# Altium PCB spd150.PcbDoc (part 5 of 15)
Units mil, origin at the board's own origin, x right, y up, seen from the top; angles counter-clockwise.
Board outline 8557 x 5807 mil, 10 copper layers (TOP, LYR2-PLN, LYR3-SIG, LYR4-SIG, LYR5-PLN, LYR6-PLN, LYR7-SIG, LYR8-SIG, LYR9-PLN, BOTTOM), stack 84 mil thick; 1065 components, 972 nets, 4226 pads, 2810 vias.
Unrouted connection lines stored in the file: 16.
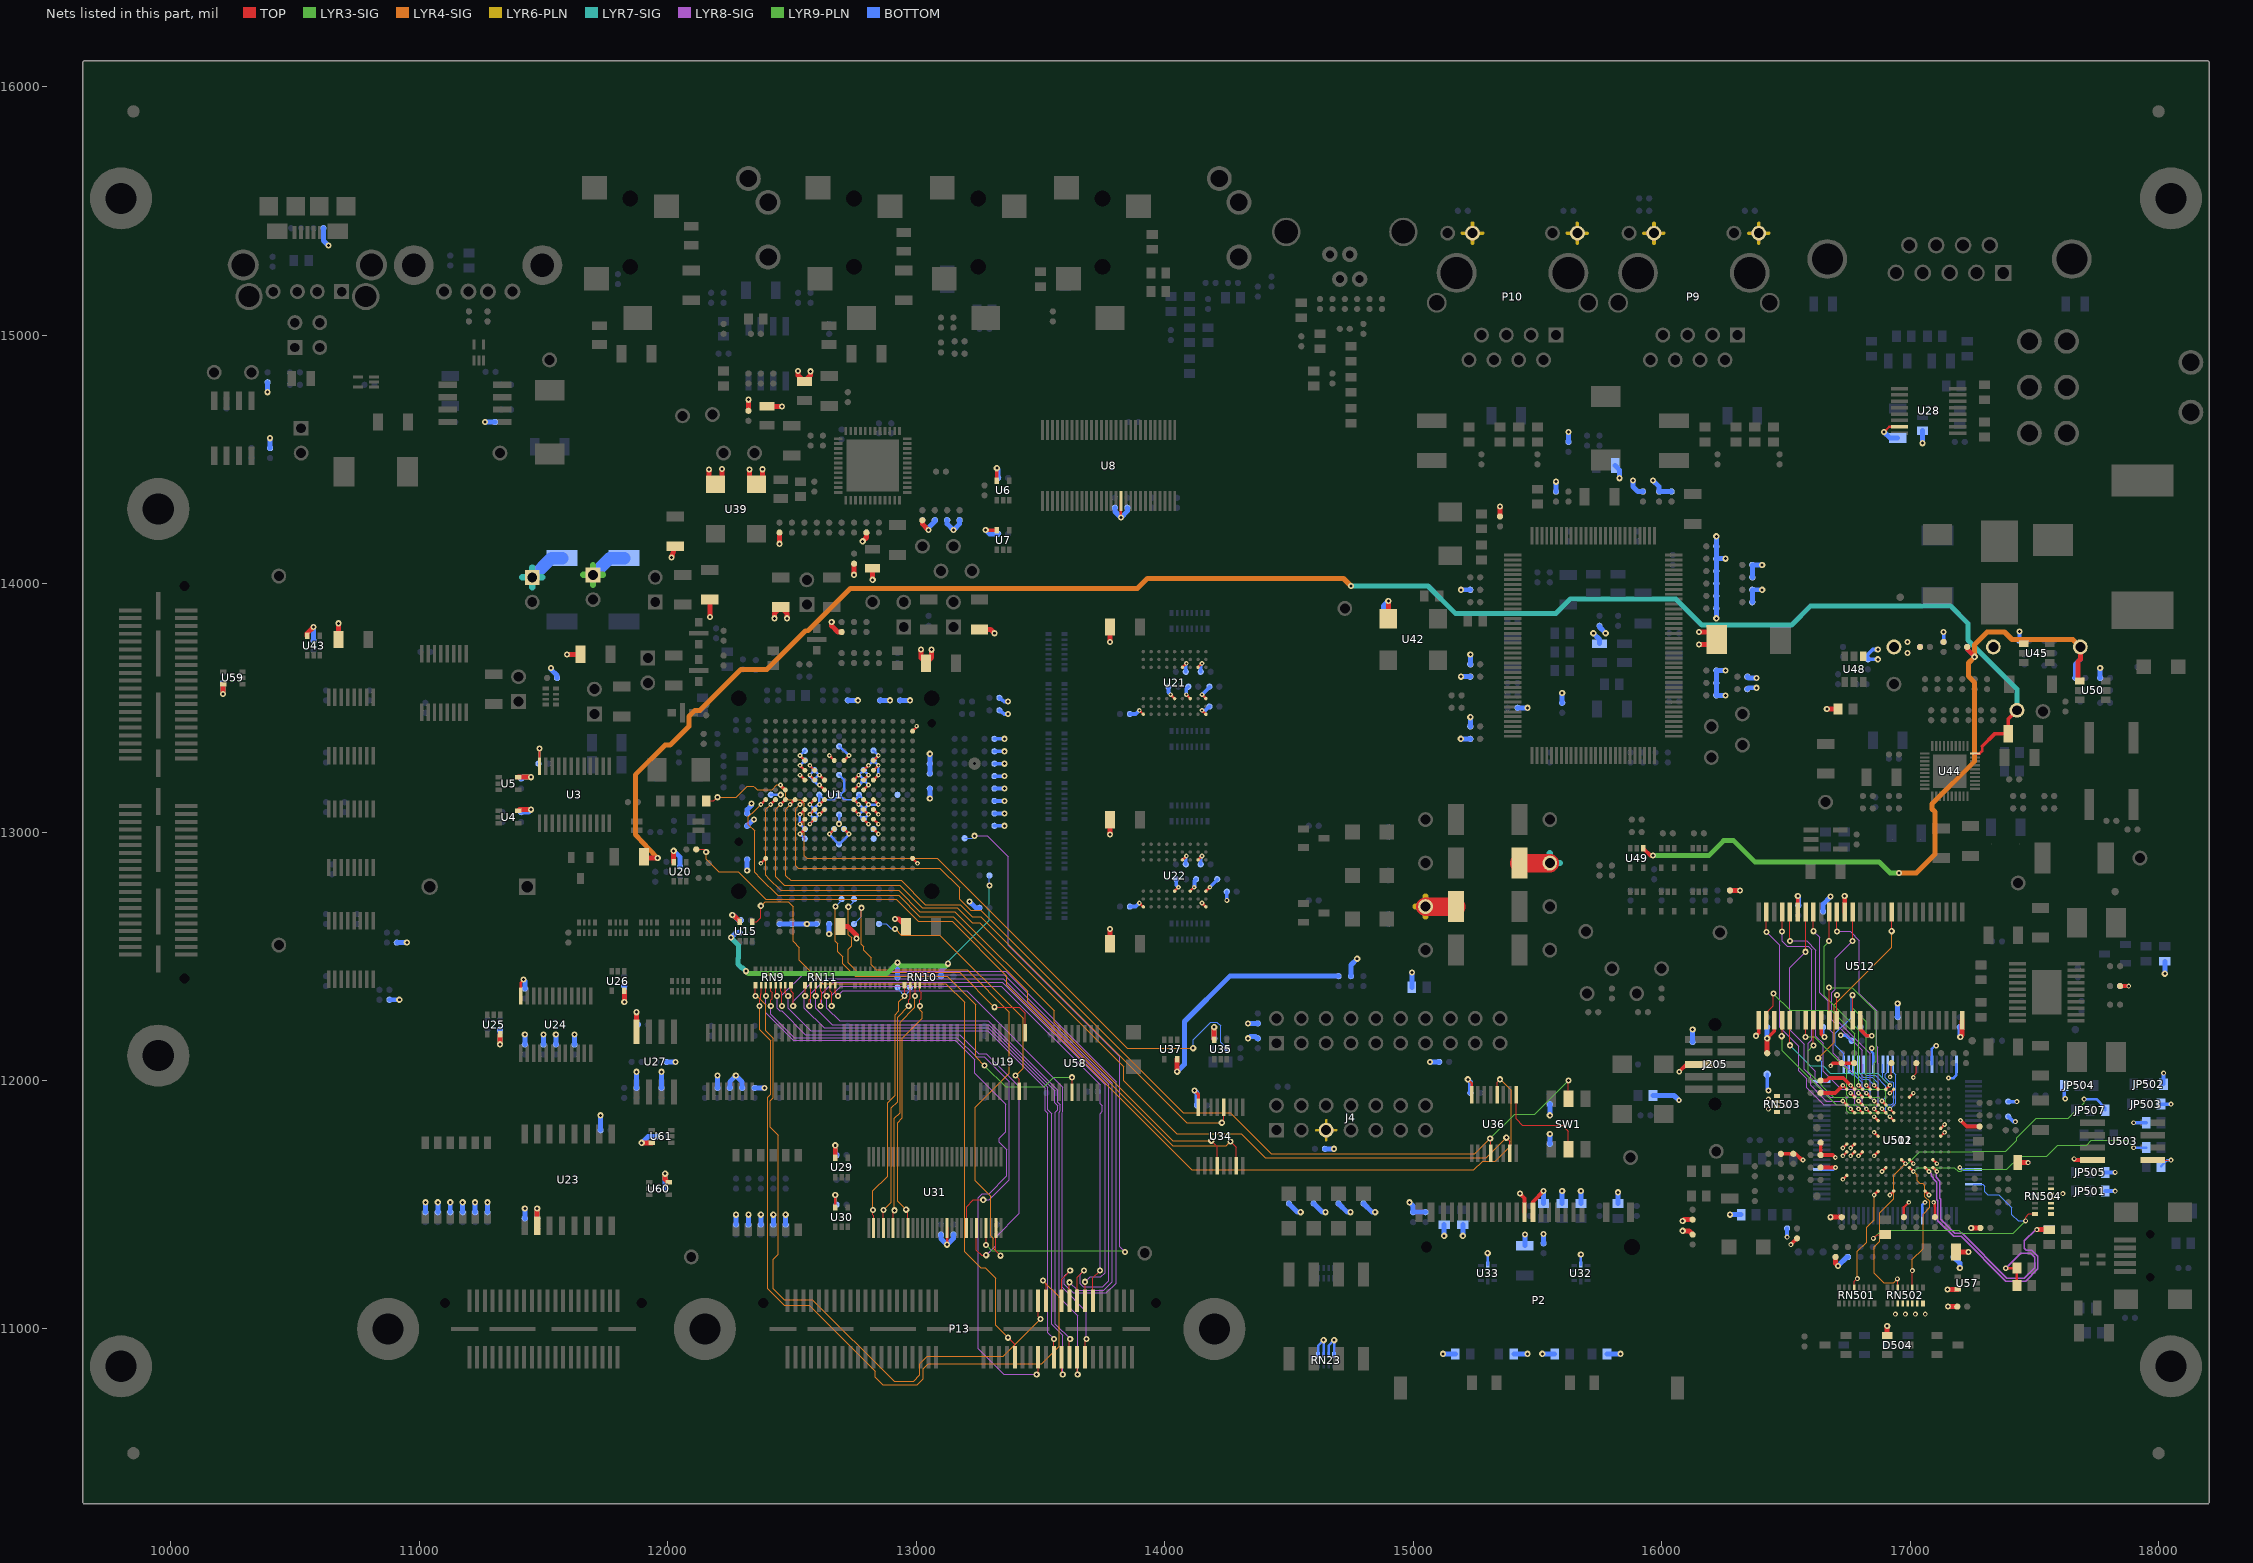
[diagram p13: the nets of this part, all layers, seen from the top]

## Via types
v1: diameter 25, hole 12, TOP to BOTTOM, 2018 vias
v2: diameter 19, hole 8, TOP to BOTTOM, 651 vias
v3: diameter 20, hole 10, TOP to BOTTOM, 120 vias
v4: diameter 22, hole 10, TOP to BOTTOM, 21 vias

## Nets (pads, with @x,y where several pads share a name; then routed paths per layer and width w, separated by ;. In a path a pad name is that pad's centre, name@x,y a point inside that pad or via, vN(x,y) a via of type N, cw(c..) or ccw(c..) an arc to the next point about the centre after c; other vN are vias at no path point) (continued)
CPU_RTC_1V8: C242.1 R100.1 TP28.1 U44.20 | length 7046.8
  TOP w10: U44.20@17261,13315.8 17280,13315.8 17290,13325.8 17290,13345
  TOP w15: 17290,13345 17340,13395 C242.1@17395,13395 17395,13455 TP28.1@17430,13490
  TOP w20: R100.1@11905,12900 11910,12895 v1(11960,12895)
  LYR4-SIG w20: v1(11960,12895) 11870,12990 11870,13230 11990,13350 12010,13350 12085,13425 12085,13465 12110,13490 12130,13490 12295,13655 12400,13655 12555,13810 12565,13810 12735,13980 13890,13980 13930,14020 14720,14020 v1(14750,13990)
  LYR7-SIG w20: v1(14750,13990) 15060,13990 15170,13880 15575,13880 15632.5,13937.5 16057.5,13937.5 16162.5,13832.5 16522.5,13832.5 16600,13910 17162.5,13910 17232.5,13840 17232.5,13772.5 17430,13575 TP28.1@17430,13490
CSN_A0: JP508.2 U503.1 | length 123.9
  TOP w5: U503.1@17976.5,11680 v3(18050,11680)
  BOTTOM w10: JP508.2@18010,11655 18035,11680 v3(18050,11680)
CVDD: C59.2 C60.2 C61.2 C62.2 C63.2 C64.2 C65.2 C66.2 C67.2 C68.2 C69.1 C70.1 C71.1 C72.1 C73.2 C74.2 C75.2 C76.2 C77.2 PTP6.1 R116.2 U1.F6 U1.G6 U1.G7 U1.G10 U1.G11 U1.H7 U1.H10 U1.H11 U1.J6 U1.J7 U1.J10 U1.J11 U1.J12 U1.K6 U1.K7 U1.K10 U1.K11 U1.L6 | length 2454.6
  TOP w10: v2(12571.9,13031.8) U1.L6@12591.6,13051.5 ; v2(12571.9,13071.2) U1.K6@12591.6,13090.9 ; v2(12571.9,13110.6) U1.J6@12591.6,13130.3 ; v2(12571.9,13228.8) U1.G6@12591.6,13209.1 ; v2(12571.9,13268.2) U1.F6@12591.6,13248.5 ; v2(12611.3,13071.2) U1.K7@12631,13090.9 ; v2(12611.3,13110.6) U1.J7@12631,13130.3 ; v2(12611.3,13189.4) U1.H7@12631,13169.7 ; v2(12611.3,13228.8) U1.G7@12631,13209.1 ; U1.K10@12749.2,13090.9 v2(12768.9,13071.2) ; U1.J10@12749.2,13130.3 v2(12768.9,13110.6) ; U1.H10@12749.2,13169.7 v2(12768.9,13189.4) ; U1.G10@12749.2,13209.1 v2(12768.9,13228.8) ; U1.K11@12788.6,13090.9 v2(12808.3,13071.2) ; U1.J11@12788.6,13130.3 v2(12808.3,13110.6) ; U1.H11@12788.6,13169.7 v2(12808.3,13189.4) ; U1.G11@12788.6,13209.1 v2(12808.3,13228.8) ; U1.J12@12828,13130.3 v2(12847.7,13110.6)
  TOP w20: v1(11595,13715) C69.1@11650,13715 ; v1(12170,13865) C72.1@12170,13935 ; C70.1@12695,12620 12725,12620 12760,12585 v1(12760,12572) ; v1(13020,13735) 13020,13700 C71.1@13040,13680 13062,13702 v1(13062,13734)
  LYR7-SIG w25: 11415,14025 PTP6.1@11455,14025 ; 11455,13985 PTP6.1@11455,14025 ; 11455,14065 PTP6.1@11455,14025 ; 11495,14025 PTP6.1@11455,14025
  BOTTOM w6: C67.2@12610,13150 12631,13129 12669,13129 C60.2@12690,13150 12711,13129 12750.5,13129 12752.5,13127
  BOTTOM w9: C60.2@12690,13150 12695,13150 12711,13166 12711,13209 C66.2@12690,13230
  BOTTOM w10: v2(12571.9,13031.8) 12591,13050.9 C62.2@12591,13052 ; v2(12571.9,13110.6) 12571.9,13110.1 C65.2@12591,13091 ; v2(12571.9,13268.2) 12571.9,13268.1 C68.2@12591,13249 ; C67.2@12610,13150 12610,13111.9 v2(12611.3,13110.6) 12605.6,13110.6 12591,13096 C65.2@12591,13091 ; v2(12611.3,13071.2) v2@12603.8,13071.2 ; v2(12611.3,13189.4) 12605.6,13189.4 12591,13204 C75.2@12591,13209 ; v2(12611.3,13228.8) v2@12607.8,13228.8 ; v1(12690,13033) C64.2@12690,13070 ; v2(12768.9,13189.4) 12772.4,13189.4 12780,13197 12780,13200 C74.2@12789,13209 ; C76.2@12789,13249 C76.2@12789,13248.1 ; v2(12808.3,13189.4) 12789,13208.7 C74.2@12789,13209 ; v2(12847.7,13110.6) v2(12808.3,13110.6) ; C62.2@12591,13052 12603.8,13064.8 v2@12603.8,13071.2 ; C62.2@12591,13052 12571.9,13071.1 v2(12571.9,13071.2) 12571.9,13071.9 C65.2@12591,13091 ; C65.2@12591,13091 12591,13084 v2@12603.8,13071.2 ; C75.2@12591,13209 12586,13209 12571.9,13223.1 v2(12571.9,13228.8) 12571.9,13229.9 C68.2@12591,13249 ; C75.2@12591,13209 12591,13212 v2@12607.8,13228.8 ; C68.2@12591,13249 12607.8,13232.2 v2@12607.8,13228.8 ; C77.2@12788,13091 12788,13088.3 12770.9,13071.2 v2(12768.9,13071.2) 12788.1,13052 C73.2@12789,13052 12789.1,13052 v2(12808.3,13071.2) 12788.5,13091 C77.2@12788,13091 ; C77.2@12788,13091 12788,13094 12771.4,13110.6 v2(12768.9,13110.6) 12752.5,13127 12770,13144.5 C59.2@12770,13150 12808.3,13111.7 v2(12808.3,13110.6) ; C77.2@12788,13091 12807.6,13110.6 v2(12808.3,13110.6) ; C74.2@12789,13209 12808.3,13228.3 v2(12808.3,13228.8) C76.2@12789,13248.1 ; C74.2@12789,13209 12789,13212 12772.2,13228.8 v2(12768.9,13228.8) 12788.2,13248.1 C76.2@12789,13248.1
  BOTTOM w20: C61.2@12320,13075 12320,13090 12337,13107 v1(12337,13115) ; v1(13055,13135) C63.2@13055,13175
  BOTTOM w50: PTP6.1@11455,14025 11532.5,14102.5 R116.2@11575,14102.5
D0: U502.L8 U511.12 U512.2 | length 1154.5
  TOP w5: U512.2@16422,12242 16422,12272 16450,12300 v1(16450,12350)
  TOP w10: v2(16918.4,11886) U502.L8@16934.2,11870.3
  LYR3-SIG w4: 16777,12069 16777,11987.1 16776.9,11987 16776.9,11973.1 16785.5,11964.5 16893.4,11964.5 16902.4,11955.5 16902.4,11902 v2(16918.4,11886)
  LYR3-SIG w5: v1(16450,12350) 16517.5,12282.5 16682.5,12282.5 16777,12188 16777,12069
  BOTTOM w4: v2(16918.4,11886) 16926.4,11894 16928.3,11894 16941.9,11907.6 16941.9,12023.1 16930.3,12034.7 U511.12@16930.3,12065
D1: U502.K8 U511.11 U512.4 | length 961.4
  TOP w5: v1(16483.3,12178.3) 16485,12180 U512.4@16485,12242
  TOP w10: v2(16918.4,11854.5) U502.K8@16934.2,11838.8
  LYR3-SIG w4: 16645,11960 16703,11902 16736,11902 16745,11893 16745,11879 16754,11870 16902.9,11870 v2(16918.4,11854.5)
  LYR3-SIG w5: v1(16483.3,12178.3) 16485,12176.6 16485,12120 16645,11960
  BOTTOM w4: U511.11@16910.6,12065 16910.6,12035.6 16900,12025 16900,12011.2 16915.2,11996 16930,11996 16933.9,11992.1 16933.9,11911 16924.9,11902 16912.4,11902 16902.9,11892.5 16902.9,11870 v2(16918.4,11854.5)
D2: U502.P9 U511.10 U512.5 | length 687.2
  TOP w5: v1(16516.5,12141.5) U512.5@16516.5,12242
  TOP w10: U502.P9@16902.7,11964.8 v2(16918.4,11980.5)
  LYR7-SIG w4: 16640,12059 16650,12059 16679,12030 16868.9,12030 v2(16918.4,11980.5)
  LYR7-SIG w5: v1(16516.5,12141.5) 16599,12059 16640,12059
  BOTTOM w4: U511.10@16890.9,12065 16890.9,12008 v2(16918.4,11980.5)
D3: U502.M9 U511.6 U512.7 | length 774.9
  TOP w5: v1(16579.5,12175.5) U512.7@16579.5,12242
  TOP w10: v2(16886.9,11917.5) U502.M9@16902.7,11901.8
  LYR3-SIG w4: 16745,12045 16745,11942.5 16754,11933.5 16870.9,11933.5 v2(16886.9,11917.5)
  LYR3-SIG w5: v1(16579.5,12175.5) 16614.5,12175.5 16745,12045
  BOTTOM w4: U511.6@16812.1,12065 16812.1,12032.9 16824,12021 16859,12021 16902.4,11977.6 16902.4,11933 v2(16886.9,11917.5)
D4: U502.L9 U511.5 U512.8 | length 843.3
  TOP w5: v1(16611,12141) U512.8@16611,12242
  TOP w10: v2(16886.9,11886) U502.L9@16902.7,11870.3
  LYR3-SIG w4: 16645,11980 16645,11979.9 16691.9,11933 16737,11933 16745,11925 16745,11911.4 16754.4,11902 16870.9,11902 v2(16886.9,11886)
  LYR3-SIG w5: v1(16611,12141) 16590,12120 16590,12035 16645,11980
  BOTTOM w4: U511.5@16792.4,12065 16792.4,12032.6 16812,12013 16847,12013 16870.9,11989.1 16870.9,11902 v2(16886.9,11886)
D5: U502.P10 U511.4 U512.10 | length 816.8
  TOP w5: U512.10@16674,12242 v1(16674,12374)
  TOP w10: v2(16855.4,11980.5) U502.P10@16871.2,11964.8
  LYR3-SIG w4: v2(16855.4,11980.5) 16855.4,12070
  LYR3-SIG w5: v1(16674,12374) 16766.3,12374 16863.5,12276.8 16863.5,12078.1 16855.4,12070
  BOTTOM w4: U511.4@16772.7,12065 16772.7,12038.7 16806.4,12005 16830.9,12005 v2(16855.4,11980.5)
D6: U502.M10 U511.3 U512.11 | length 816.2
  TOP w5: U512.11@16705.5,12242 v1(16705.5,12344.5) ; v2(16855.4,11917.5) U502.M10@16871.2,11901.8
  LYR8-SIG w4: 16840,12070 16839.9,12069.9 16839.9,11933 v2(16855.4,11917.5)
  LYR8-SIG w5: v1(16705.5,12344.5) 16705.5,12242 16840,12107.5 16840,12070
  BOTTOM w4: U511.3@16753,12065 16753,12038.9 16767.9,12024 16776,12024 16808.4,11991.6 16808.4,11974 16817.4,11965 16830.4,11965 16839.9,11955.5 16839.9,11933 v2(16855.4,11917.5)
D7: U502.P11 U511.2 U512.13 | length 830.6
  TOP w5: U512.13@16768.5,12242 v1(16768.5,12343.5)
  TOP w10: v2(16823.9,11980.5) U502.P11@16839.7,11964.8
  LYR3-SIG w4: v2(16823.9,11980.5) 16823.9,12070
  LYR3-SIG w5: v1(16768.5,12343.5) 16770,12342 16770,12290 16823.9,12236.1 16823.9,12070
  BOTTOM w4: U511.2@16733.3,12065 U511.2@16733.3,12070
  BOTTOM w5: U511.2@16733.3,12070 16733.3,12108.4 16699.8,12141.9 16699.8,12190 16762.5,12252.7 16762.5,12337.5 v1(16768.5,12343.5)
D8: U502.N11 U512.42 | length 843
  TOP w5: v1(16768.5,12561.5) U512.42@16768.5,12678
  TOP w10: v2(16823.9,11949) U502.N11@16839.7,11933.3
  LYR8-SIG w4: 16808.4,12068.4 16808.4,11964.5 v2(16823.9,11949)
  LYR8-SIG w5: v1(16768.5,12561.5) 16699.5,12492.5 16699.5,12366.8 16685.5,12352.8 16685.5,12245.5 16808.4,12122.6 16808.4,12068.4
D9: U502.L10 U512.44 | length 920.1
  TOP w5: v1(16705.5,12600) U512.44@16705.5,12678
  TOP w10: v2(16855.4,11886) U502.L10@16871.2,11870.3
  LYR8-SIG w4: v2(16855.4,11886) 16870.9,11901.5 16870.9,12069.1 16870,12070
  LYR8-SIG w5: v1(16705.5,12600) 16758.3,12600 16795,12563.3 16795,12350 16865,12280 16865,12138.8 16870,12133.8 16870,12070
D10: U502.P12 U512.45 | length 785.4
  TOP w5: v1(16674,12561) U512.45@16674,12678
  TOP w10: v2(16792.4,11980.5) U502.P12@16808.2,11964.8
  LYR3-SIG w4: v2(16792.4,11980.5) 16792.4,12070
  LYR3-SIG w5: v1(16674,12561) 16654,12541 16654,12341.5 16792.4,12203.1 16792.4,12070
D11: U502.N12 U512.47 | length 826.4
  TOP w5: v1(16611,12601) U512.47@16611,12678
  TOP w10: v2(16792.4,11949) U502.N12@16808.2,11933.3
  LYR8-SIG w4: 16730,12070 16776.9,12023.1 16776.9,11974 16792.4,11958.5 v2(16792.4,11949)
  LYR8-SIG w5: v1(16611,12601) 16636,12576 16636,12354 16670,12320 16670,12210 16690,12190 16690,12110 16730,12070
D12: U502.M14 U512.48 | length 937.5
  TOP w5: v1(16579.5,12518) U512.48@16579.5,12678
  TOP w10: v2(16729.4,11917.5) 16745.1,11901.8 U502.M14@16745.2,11901.8
  LYR8-SIG w4: 16645,11935 16662.5,11917.5 v2(16729.4,11917.5)
  LYR8-SIG w5: v1(16579.5,12518) 16515,12453.5 16515,12205 16575,12145 16575,12045 16600,12020 16600,11980 16645,11935
D13: U502.L11 U512.50 | length 1013.9
  TOP w5: v1(16516.5,12561.5) U512.50@16516.5,12678
  TOP w10: v2(16823.9,11886) U502.L11@16839.7,11870.3
  LYR8-SIG w4: 16650,12070 16650,12037.9 16722.9,11965 16766.9,11965 16776.4,11955.5 16776.4,11943 16785.9,11933.5 16798.4,11933.5 16807.9,11924 16807.9,11902 v2(16823.9,11886)
  LYR8-SIG w5: v1(16516.5,12561.5) 16583.5,12561.5 16621.2,12523.8 16621.2,12178.8 16650,12150 16650,12070
D14: U502.L12 U512.51 | length 1057.2
  TOP w5: v1(16485,12600) U512.51@16485,12678
  TOP w10: v2(16792.4,11886) U502.L12@16808.2,11870.3
  LYR8-SIG w4: 16645,11965 16677,11933 16767.4,11933 16776.4,11924 16776.4,11903.6 16792.4,11887.6 v2(16792.4,11886)
  LYR8-SIG w5: v1(16485,12600) 16485,12560 16505,12540 16590.8,12540 16605,12525.8 16605,12165 16590,12150 16590,12065 16617.5,12037.5 16617.5,11992.5 16645,11965
D15: U502.L13 U512.53 | length 1010.3
  TOP w5: v1(16422,12598) U512.53@16422,12678
  TOP w10: v2(16760.9,11886) U502.L13@16776.7,11870.3
  LYR8-SIG w4: 16645,11910 16653,11902 16748,11902 16760.9,11889.1 v2(16760.9,11886)
  LYR8-SIG w5: v1(16422,12598) 16475,12545 16475,12215 16552.5,12137.5 16552.5,12039.9 16585,12007.4 16585,11970 16645,11910
DC_3V3: R67.1 R70.2 R73.1 R81.1 | length 1598.7
  LYR3-SIG w20: v1(12315,12440) 12325,12430 12881,12430 v1(12925,12474) 12939,12460 13120,12460 13128,12468 v1(13128,12470)
  LYR7-SIG w5: v1(13128,12470) 13128,12478 13295,12645 v1(13295,12785)
  LYR7-SIG w20: v1(12255,12575) 12285,12545 12285,12493.9 12282.5,12491.4 12282.5,12468.6 12298.6,12452.5 12302.5,12452.5 v1(12315,12440)
  BOTTOM w5: v1(13295,12785) R81.1@13295,12825
  BOTTOM w20: v1(12255,12575) 12275,12595 R73.1@12290,12595 ; R67.1@12925,12415 v1(12925,12474) ; R70.2@13100,12420 13100,12442 v1(13128,12470)
DN_USB: C504.1 R508.1 U502.D3 | length 1022.3
  TOP w10: U502.D3@17091.8,11649.7 v2(17107.5,11633.9) ; v4(17385,11245) R508.1@17430,11245 C504.1@17430,11175
  LYR8-SIG w6: v2(17107.5,11633.9) 17104.5,11630.9 17104.5,11610.5 17120,11595 17120,11525.4 17123.5,11521.9 17123.5,11441.5 17180,11385 17210,11385 17390,11205 17459.8,11205 17501.9,11247.1 17501.9,11288.1 17485,11305 17445,11305 v4(17385,11245)
DP_USB: C502.1 R504.1 U502.D4 | length 1074.7
  TOP w10: U502.D4@17060.3,11649.7 v2(17076,11633.9)
  TOP w20: v3(17510,11400) R504.1@17560,11400
  LYR8-SIG w6: v2(17076,11633.9) 17084.2,11625.7 17084.2,11617.7 17092.5,11609.4 17092.5,11605.5 17108,11590 17108,11520.4 17111.5,11516.9 17111.5,11436.5 17175,11373 17205,11373 17385,11193 17464.8,11193 17513.9,11242.1 17513.9,11293.1 17490,11317 17468,11317 17460,11325 17460,11355 17505,11400 v3(17510,11400)
  BOTTOM w15: v3(17510,11400) C502.1@17560,11400
DR0: JP509.1 RN502.11 U502.D6 | length 1567.5
  TOP w5: RN502.11@17009.4,11167 v3(17009.4,11235)
  TOP w10: U502.D6@16997.3,11649.7 v2(17013,11633.9)
  LYR3-SIG w4: v2(17013,11633.9) 17013.9,11633.9 17029.9,11649.9 17178.1,11649.9 17193.5,11634.5 17206.5,11634.5 17214.5,11642.5 17255,11642.5
  LYR3-SIG w5: 17255,11642.5 17390,11642.5 17442.5,11695 17550,11695 17595,11740 17710,11740 17730,11760 17870,11760 v3(17900,11730)
  LYR4-SIG w4: v2(17013,11633.9) 17029,11617.9 17029,11595.9 17038.5,11586.4 17051,11586.4 17060,11577.4 17060,11532.9 17079.5,11513.4 17079.5,11489.5 17052.2,11462.2 17052.2,11455
  LYR4-SIG w5: v3(17009.4,11235) 17009.4,11280 17052.2,11322.8 17052.2,11455
  BOTTOM w10: v3(17900,11730) JP509.1@17950,11730
DR2: RN501.13 U502.A10 | length 429.1
  TOP w5: RN501.13@16775.2,11167 16775.2,11192.2 16786,11203 v3(16788,11203)
  TOP w10: v2(16855.4,11539.4) U502.A10@16871.2,11555.2
  LYR4-SIG w4: 16855.4,11455 v2(16855.4,11539.4)
  LYR4-SIG w5: v3(16788,11203) 16788,11313 16825,11350 16825,11410 16855.4,11440.4 16855.4,11455
DRAM_EN: U511.100 U512.37 | length 810.4
  TOP w5: v1(16926,12601) U512.37@16926,12678
  LYR4-SIG w5: v1(16630,12090) 16695,12155 16695,12305 16926,12536 v1(16926,12601)
  BOTTOM w4: U511.100@16645,11996.4 16645,12070
  BOTTOM w5: v1(16630,12090) 16645,12075 16645,12070
DSK_1V2_SYS_OKAY: R346.1 R361.1 R364.1 TP30.1 U45.1 | length 77
  BOTTOM w15: R364.1@17135,13765 v1(17135,13805) ; R346.1@17440,13770 v1(17440,13807)
DSK_1V8: R318.2 R350.1 TP24.1 | length 287.5
  TOP w20: v1(16665,13495) R350.1@16710,13495
  TOP w75: R318.2@15427.5,12875 TP24.1@15550,12875
  LYR7-SIG w25: 15510,12875 TP24.1@15550,12875 ; 15550,12915 TP24.1@15550,12875 ; 15590,12875 TP24.1@15550,12875
DSK_1V8_SYS_OKAY: R349.1 R359.1 R365.1 TP31.1 U48.1 | length 108.3
  BOTTOM w15: v1(16870,13695) R349.1@16830,13695 16830,13715 16850,13735 v1(16870,13735)
  other v1: 16990,13720 16990,13765
DSK_3V3: C2.1 C3.1 C4.1 C5.1 C6.1 C7.1 C8.1 C25.1 C39.1 C51.1 C104.1 C105.1 C106.1 C107.1 C108.1 C109.1 C110.1 C111.1 C112.1 C113.1 C114.1 C115.1 C116.1 C117.1 C118.1 C119.1 C120.1 C121.1 C122.1 C123.1 C124.1 C125.1 C126.2 C127.1 C128.1 C137.1 C138.1 C139.1 C140.1 C141.1 C142.2 C143.1 C145.1 C146.1 C147.1 C148.1 C151.1 C165.1 C175.1 C198.1 C203.1 C207.1 C233.1 C266.1 C273.1 C274.1 C537.1 C538.1 C539.1 C540.1 C541.1 C550.1 C551.1 C552.1 C553.1 C554.1 C595.1 C596.1 C597.1 C598.1 C599.1 C600.1 C601.1 C602.1 C603.1 C604.1 C605.1 CT502.1 D504.1 J4.5 J205.6 JP501.1 JP502.1 JP503.1 JP504.1 JP505.1 JP510.1 L6.1 L7.2 L9.2 L19.1 L21.1 L504.1 L592.2 P2.4 P2.19 P9.9 P9.11 P10.9 P10.11 R2.1 R13.1 R24.1 R25.1 R26.1 R35.1 R37.1 R40.1 R41.1 R42.1 R43.1 R53.1 R54.1 R59.1 R61.1 R65.1 R101.1 R110.1 R111.1 R121.1 R122.1 R123.1 R125.1 R126.2 R131.1 R132.1 R133.2 R134.2 R135.2 R136.2 R138.1 R139.1 R140.1 R144.1 R145.1 R146.1 R147.1 R148.1 R149.1 R154.1 R155.1 R156.1 R157.1 R158.1 R159.1 R160.1 R161.1 R162.1 R163.1 R167.2 R168.2 R172.1 R173.1 R174.2 R175.2 R176.2 R177.2 R179.2 R198.1 R199.1 R200.1 R201.1 R203.1 R236.1 R244.1 R245.1 R246.1 R247.1 R248.1 R249.1 R257.1 R258.1 R259.1 R260.1 R261.1 R262.1 R263.1 R264.1 R265.1 R267.1 R268.1 R269.1 R270.1 R271.1 R272.1 R273.1 R292.2 R294.1 R295.1 R296.1 R297.1 R312.2 R355.1 R376.1 R377.1 R378.1 R379.1 R385.1 R386.1 R514.1 R545.2 R550.1 R554.1 R557.1 R597.2 R598.2 R600.2 R601.2 R602.2 R613.2 R614.1 R615.1 R616.1 R621.1 R622.1 R623.1 R624.1 R625.1 R626.1 R627.1 R628.1 R629.1 R630.1 RN23.1 RN23.2 RN23.3 RN23.4 RN502.3 RN502.4 RN502.5 RN502.6 RN502.7 RN502.8 RN503.1 RN503.2 RN503.3 RN503.4 RN504.1 RN504.2 RN504.3 RN504.4 RN504.5 RN504.6 TP18.1 TP513.1 U3.24 U4.5 U5.5 U6.5 U7.5 U8.17 U15.5 U20.5 U21.A7 U21.A9 U21.B3 U21.C7 U21.D3 U21.E7 U21.J9 U22.A7 U22.A9 U22.B3 U22.C7 U22.D3 U22.E7 U22.J9 U23.2 U24.24 U25.5 U26.5 U27.8 U28.15 U29.5 U30.5 U31.17 U32.10 U33.10 U34.16 U35.5 U36.16 U37.5 U39.1 U39.4 U42.4 U43.5 U57.5 U59.5 U60.5 U61.5 U502.A4 U502.A8 U502.C14 U502.D9 U502.E3 U502.E6 U502.F10 U502.F12 U502.F13 U502.F14 U502.G13 U502.G14 U502.H2 U502.H10 U502.J2 U502.K10 U502.M12 U502.N6 U502.N13 U502.P8 U502.P13 U502.P14 U503.8 U511.8 U511.20 U511.25 U511.44 U511.58 U511.82 U512.1 U512.3 U512.9 U512.14 U512.27 U512.43 U512.49 | length 16890.4
  TOP w5: v2(16920,12015) 16925,12020 C554.1@16925,12070 ; v2(17013,12012) 17013,12018 17025,12030 C599.1@17025,12070
  TOP w10: U24.24@11409.2,12340 11409.2,12394.2 11420,12405 v1(11420,12407) ; U3.24@11484.2,13265 v1(11484.2,13335.8) ; U30.5@12674.4,11489 v1(12674.4,11539.4) ; v1(13124.2,11339.2) U31.17@13124.2,11407 ; v1(13824.2,14265.8) U8.17@13824.2,14332 ; v2(13898.3,12714.8) U22.J9@13914.1,12699 ; v2(13898.3,13489.8) U21.J9@13914.1,13474 ; v2(14024.3,13552.8) U21.E7@14040.1,13537 ; U22.E7@14040.1,12762 v2(14055.8,12777.8) ; U22.D3@14071.6,12888 v2(14087.3,12903.8) ; U21.D3@14071.6,13663 v2(14087.3,13678.8) ; v2(14087.3,13552.8) U21.C7@14103.1,13537 ; U22.C7@14103.1,12762 v2(14118.8,12777.8) ; U22.B3@14134.6,12888 v2(14150.3,12903.8) ; U21.B3@14134.6,13663 v2(14150.3,13678.8) ; v2(14150.3,12714.8) U22.A9@14166.1,12699 ; v2(14150.3,13489.8) U21.A9@14166.1,13474 ; v2(14150.3,13552.8) U21.A7@14166.1,13537 ; U22.A7@14166.1,12762 v2(14181.8,12777.8) ; v1(15220,12005) 15235.4,11989.6 U36.16@15235.4,11942.6 ; v2(16729.4,11602.4) U502.C14@16745.2,11618.2 ; v2(16729.4,11696.9) U502.F14@16745.2,11712.7 ; v2(16729.4,11728.4) U502.G14@16745.2,11744.2 ; v2(16729.4,11980.5) 16745.1,11964.8 U502.P14@16745.2,11964.8 ; v2(16760.9,11696.9) U502.F13@16776.7,11712.7 ; v2(16760.9,11728.4) U502.G13@16776.7,11744.2 ; v2(16760.9,11949) U502.N13@16776.7,11933.3 ; v2(16760.9,11980.5) U502.P13@16776.7,11964.8 ; v2(16792.4,11696.9) U502.F12@16808.2,11712.7 ; v2(16792.4,11917.5) U502.M12@16808.2,11901.8 ; v2(16855.4,11696.9) U502.F10@16871.2,11712.7 ; v2(16855.4,11791.5) U502.H10@16871.2,11775.8 ; v2(16855.4,11854.5) U502.K10@16871.2,11838.8 ; v2(16886.9,11633.9) U502.D9@16902.7,11649.7 ; v1(16895,14610) 16916,14631 U28.15@16957.4,14631 ; v2(16918.4,11539.4) U502.A8@16934.2,11555.2 ; v2(16918.4,11949) U502.P8@16934.2,11964.8 ; C597.1@16975,11450 16975,11490 v2(16995,11510) ; U502.E6@16997.3,11681.2 v2(17013,11665.4) ; U502.N6@16997.3,11933.3 v2(17013,11949) ; U502.A4@17060.3,11555.2 v2(17076,11539.4) ; U502.E3@17091.8,11681.2 v2(17107.5,11665.4) ; v2(17095,11510) 17100,11505 C596.1@17100,11450 ; U502.H2@17123.3,11775.8 v2(17139,11791.5) ; U502.J2@17123.3,11807.3 v2(17139,11823)
  TOP w12: v1(14120,11960) 14135.4,11944.6 U34.16@14135.4,11892.6
  TOP w15: v1(13280,14215) 13281,14214 U7.5@13324.4,14214 ; U6.5@13324.4,14414 v1(13324.4,14464.4) ; v1(15430,11545) 15448.5,11526.5 P2.19@15448.5,11470 ; P2.4@15482,11470 15482,11512 v1(15525,11555) ; v4(16070.5,12035) 16070.5,12035.5 16100,12065 J205.6@16150,12065 ; v1(16380,12180) 16390.5,12190.5 U512.1@16390.5,12242 ; v1(16425,12170) 16453.5,12198.5 U512.3@16453.5,12242 ; R545.2@16480,11705 R175.2@16530,11705 16540,11705 16565,11680 v2(16569,11680) ; v3(16520,11340) R598.2@16545,11365 ; U512.49@16548,12678 v1(16548,12743) ; C551.1@16640,11650 v2(16700,11650) ; C537.1@16640,11750 C550.1@16640,11700 16689,11700 v2(16699,11690) ; C539.1@16640,11950 16698.9,11950 v2(16729.4,11980.5) ; C538.1@16640,12000 16665,12000 16675,12010 16731.4,12010 v2(16760.9,11980.5) ; U512.9@16642.5,12242 16642.5,12187.5 v1(16655,12175) ; v2(16680.3,12059.1) 16691.2,12070 C540.1@16725,12070 C553.1@16775,12070 ; U512.14@16800,12242 16800,12205 16825,12180 v4(16845,12180) ; v2(17203,11840) 17228,11815 C598.1@17280,11815 ; v3(17660,11685) 17665,11680 U503.8@17733.5,11680 ; R557.1@17845,12380 v3(17880,12380)

## Text inside footprints (layer, text, board x,y; h text height)
R355: PIN_NUMBER "2" at 17797,13620 h20 r180; PIN_NUMBER "1" at 17757,13620 h20 r180; ASSEMBLY_BOTTOM "USERPART#" at 17785,13770 h25 r180; ASSEMBLY_BOTTOM "TOLERANCE" at 17785,13720 h25 r180; ASSEMBLY_BOTTOM "20K" at 17785,13620 h25 r180; SYMBOL_PART_DIM "0" at 17693,13633 h25 r180; SYMBOL_PART_DIM "0" at 17777,13704 h25 r180; SYMBOL_PART_DIM "C402-35X32" at 17662,13758 h25 r180; SYMBOL_PART_DIM "PAD 35X32 OV" at 17662,13808 h25 r180
R356: PIN_NUMBER "1" at 17757,13570 h20 r180; PIN_NUMBER "2" at 17797,13570 h20 r180; ASSEMBLY_BOTTOM "USERPART#" at 17785,13720 h25 r180; ASSEMBLY_BOTTOM "TOLERANCE" at 17785,13670 h25 r180; ASSEMBLY_BOTTOM "10K 1%" at 17785,13570 h25 r180; SYMBOL_PART_DIM "0" at 17693,13583 h25 r180; SYMBOL_PART_DIM "0" at 17777,13654 h25 r180; SYMBOL_PART_DIM "C402-35X32" at 17662,13708 h25 r180; SYMBOL_PART_DIM "PAD 35X32 OV" at 17662,13758 h25 r180
R357: PIN_NUMBER "2" at 15742,12825 h20 r270; PIN_NUMBER "1" at 15742,12865 h20 r270; ASSEMBLY_TOP "USERPART#" at 15600,12845 h25 r270; ASSEMBLY_TOP "TOLERANCE" at 15650,12845 h25 r270; ASSEMBLY_TOP "33" at 15750,12845 h25 r270; SYMBOL_PART_DIM "0" at 15737,12937 h25 r270; SYMBOL_PART_DIM "0" at 15666,12853 h25 r270; SYMBOL_PART_DIM "C402-35X32" at 15612,12968 h25 r270; SYMBOL_PART_DIM "PAD 35X32 OV" at 15562,12968 h25 r270
R358: PIN_NUMBER "2" at 15742,12825 h20 r90; PIN_NUMBER "1" at 15742,12865 h20 r90; ASSEMBLY_BOTTOM "USERPART#" at 15900,12845 h25 r90; ASSEMBLY_BOTTOM "TOLERANCE" at 15850,12845 h25 r90; ASSEMBLY_BOTTOM "33" at 15750,12845 h25 r90; SYMBOL_PART_DIM "0" at 15763,12937 h25 r90; SYMBOL_PART_DIM "0" at 15834,12853 h25 r90; SYMBOL_PART_DIM "C402-35X32" at 15888,12968 h25 r90; SYMBOL_PART_DIM "PAD 35X32 OV" at 15938,12968 h25 r90
R359: PIN_NUMBER "1" at 17032,13745 h20 r180; PIN_NUMBER "2" at 17072,13745 h20 r180; ASSEMBLY_BOTTOM "USERPART#" at 17060,13895 h25 r180; ASSEMBLY_BOTTOM "TOLERANCE" at 17060,13845 h25 r180; ASSEMBLY_BOTTOM "NO-POP" at 17060,13745 h25 r180; SYMBOL_PART_DIM "0" at 16968,13758 h25 r180; SYMBOL_PART_DIM "0" at 17052,13829 h25 r180; SYMBOL_PART_DIM "C402-35X32" at 16937,13883 h25 r180; SYMBOL_PART_DIM "PAD 35X32 OV" at 16937,13933 h25 r180
R360: PIN_NUMBER "1" at 17222,13745 h20 r180; PIN_NUMBER "2" at 17182,13745 h20 r180; ASSEMBLY_TOP "USERPART#" at 17210,13895 h25 r180; ASSEMBLY_TOP "TOLERANCE" at 17210,13845 h25 r180; ASSEMBLY_TOP "NO-POP" at 17210,13745 h25 r180; SYMBOL_PART_DIM "0" at 17302,13758 h25 r180; SYMBOL_PART_DIM "0" at 17218,13829 h25 r180; SYMBOL_PART_DIM "C402-35X32" at 17333,13883 h25 r180; SYMBOL_PART_DIM "PAD 35X32 OV" at 17333,13933 h25 r180
R361: PIN_NUMBER "1" at 17127,13765 h20 r270; PIN_NUMBER "2" at 17127,13725 h20 r270; ASSEMBLY_TOP "USERPART#" at 16985,13745 h25 r270; ASSEMBLY_TOP "TOLERANCE" at 17035,13745 h25 r270; ASSEMBLY_TOP "NO-POP" at 17135,13745 h25 r270; SYMBOL_PART_DIM "0" at 17122,13837 h25 r270; SYMBOL_PART_DIM "0" at 17051,13753 h25 r270; SYMBOL_PART_DIM "C402-35X32" at 16997,13868 h25 r270; SYMBOL_PART_DIM "PAD 35X32 OV" at 16947,13868 h25 r270
R362: PIN_NUMBER "1" at 17222,13745 h20; PIN_NUMBER "2" at 17182,13745 h20; ASSEMBLY_BOTTOM "USERPART#" at 17210,13595 h25; ASSEMBLY_BOTTOM "TOLERANCE" at 17210,13645 h25; ASSEMBLY_BOTTOM "NO-POP" at 17210,13745 h25; SYMBOL_PART_DIM "0" at 17302,13732 h25; SYMBOL_PART_DIM "0" at 17218,13661 h25; SYMBOL_PART_DIM "C402-35X32" at 17333,13607 h25; SYMBOL_PART_DIM "PAD 35X32 OV" at 17333,13557 h25
R363: PIN_NUMBER "1" at 16217,12765 h20 r90; PIN_NUMBER "2" at 16217,12725 h20 r90; ASSEMBLY_BOTTOM "USERPART#" at 16375,12745 h25 r90; ASSEMBLY_BOTTOM "TOLERANCE" at 16325,12745 h25 r90; ASSEMBLY_BOTTOM "2.2K" at 16225,12745 h25 r90; SYMBOL_PART_DIM "0" at 16238,12837 h25 r90; SYMBOL_PART_DIM "0" at 16309,12753 h25 r90; SYMBOL_PART_DIM "C402-35X32" at 16363,12868 h25 r90; SYMBOL_PART_DIM "PAD 35X32 OV" at 16413,12868 h25 r90
R364: PIN_NUMBER "1" at 17127,13765 h20 r90; PIN_NUMBER "2" at 17127,13725 h20 r90; ASSEMBLY_BOTTOM "USERPART#" at 17285,13745 h25 r90; ASSEMBLY_BOTTOM "TOLERANCE" at 17235,13745 h25 r90; ASSEMBLY_BOTTOM "NO-POP" at 17135,13745 h25 r90; SYMBOL_PART_DIM "0" at 17148,13837 h25 r90; SYMBOL_PART_DIM "0" at 17219,13753 h25 r90; SYMBOL_PART_DIM "C402-35X32" at 17273,13868 h25 r90; SYMBOL_PART_DIM "PAD 35X32 OV" at 17323,13868 h25 r90
R365: PIN_NUMBER "1" at 17032,13745 h20; PIN_NUMBER "2" at 17072,13745 h20; ASSEMBLY_TOP "USERPART#" at 17060,13595 h25; ASSEMBLY_TOP "TOLERANCE" at 17060,13645 h25; ASSEMBLY_TOP "NO-POP" at 17060,13745 h25; SYMBOL_PART_DIM "0" at 16968,13732 h25; SYMBOL_PART_DIM "0" at 17052,13661 h25; SYMBOL_PART_DIM "C402-35X32" at 16937,13607 h25; SYMBOL_PART_DIM "PAD 35X32 OV" at 16937,13557 h25
R366: PIN_NUMBER "1" at 17348,14172.5 h30 r90; PIN_NUMBER "2" at 17348,13917.5 h30 r90; SYMB_DIM "65X125REC" at 17637,14175 h35.9 r90; SYMB_DIM "R2512-65x125" at 17048,14201 h35.9 r90
R367: PIN_NUMBER "1" at 14892,13020 h20 r90; PIN_NUMBER "2" at 14892,12980 h20 r90; ASSEMBLY_BOTTOM "USERPART#" at 15050,13000 h25 r90; ASSEMBLY_BOTTOM "TOLERANCE" at 15000,13000 h25 r90; ASSEMBLY_BOTTOM "360" at 14900,13000 h25 r90; SYMBOL_PART_DIM "0" at 14913,13092 h25 r90; SYMBOL_PART_DIM "0" at 14984,13008 h25 r90; SYMBOL_PART_DIM "C402-35X32" at 15038,13123 h25 r90; SYMBOL_PART_DIM "PAD 35X32 OV" at 15088,13123 h25 r90
R368: PIN_NUMBER "1" at 17947,13665 h20; PIN_NUMBER "2" at 17907,13665 h20; ASSEMBLY_BOTTOM "USERPART#" at 17935,13515 h25; ASSEMBLY_BOTTOM "TOLERANCE" at 17935,13565 h25; ASSEMBLY_BOTTOM "220" at 17935,13665 h25; SYMBOL_PART_DIM "0" at 18027,13652 h25; SYMBOL_PART_DIM "0" at 17943,13581 h25; SYMBOL_PART_DIM "C402-35X32" at 18058,13527 h25; SYMBOL_PART_DIM "PAD 35X32 OV" at 18058,13477 h25
R369: PIN_NUMBER "2" at 14572,13025 h20; PIN_NUMBER "1" at 14612,13025 h20; ASSEMBLY_BOTTOM "USERPART#" at 14600,12875 h25; ASSEMBLY_BOTTOM "TOLERANCE" at 14600,12925 h25; ASSEMBLY_BOTTOM "1K" at 14600,13025 h25; SYMBOL_PART_DIM "0" at 14692,13012 h25; SYMBOL_PART_DIM "0" at 14608,12941 h25; SYMBOL_PART_DIM "C402-35X32" at 14723,12887 h25; SYMBOL_PART_DIM "PAD 35X32 OV" at 14723,12837 h25
R370: PIN_NUMBER "1" at 14892,12845 h20 r90; PIN_NUMBER "2" at 14892,12805 h20 r90; ASSEMBLY_BOTTOM "USERPART#" at 15050,12825 h25 r90; ASSEMBLY_BOTTOM "TOLERANCE" at 15000,12825 h25 r90; ASSEMBLY_BOTTOM "360" at 14900,12825 h25 r90; SYMBOL_PART_DIM "0" at 14913,12917 h25 r90; SYMBOL_PART_DIM "0" at 14984,12833 h25 r90; SYMBOL_PART_DIM "C402-35X32" at 15038,12948 h25 r90; SYMBOL_PART_DIM "PAD 35X32 OV" at 15088,12948 h25 r90
R371: PIN_NUMBER "2" at 14572,12725 h20; PIN_NUMBER "1" at 14612,12725 h20; ASSEMBLY_BOTTOM "USERPART#" at 14600,12575 h25; ASSEMBLY_BOTTOM "TOLERANCE" at 14600,12625 h25; ASSEMBLY_BOTTOM "1K" at 14600,12725 h25; SYMBOL_PART_DIM "0" at 14692,12712 h25; SYMBOL_PART_DIM "0" at 14608,12641 h25; SYMBOL_PART_DIM "C402-35X32" at 14723,12587 h25; SYMBOL_PART_DIM "PAD 35X32 OV" at 14723,12537 h25
R372: PIN_NUMBER "2" at 16719,12940 h40 r90; PIN_NUMBER "1" at 16719,13000 h40 r90; SYMB_DIM "PAD 35X45OV" at 16660,12785 h40 r90; SYMB_DIM "SM  43X53OV" at 16720,12785 h40 r90; SYMB_DIM "SP  35X45OV" at 16790,12785 h40 r90; SYMB_DIM "R603-35X45" at 16545,13180 h40 r90; SYMB_DIM "0" at 16875,12990 h40 r90; SYMB_DIM "0" at 16755,13115 h40 r90; ASSEMBLY_BOTTOM "15K 1%" at 16750,12995 h40 r90; ASSEMBLY_BOTTOM "X" at 16750,12965 h40 r90; ASSEMBLY_BOTTOM "X" at 16750,12930 h40 r90
R373: PIN_NUMBER "2" at 16644,13000 h40 r270; PIN_NUMBER "1" at 16644,12940 h40 r270; SYMB_DIM "PAD 35X45OV" at 16735,13155 h40 r270; SYMB_DIM "SM  43X53OV" at 16675,13155 h40 r270; SYMB_DIM "SP  35X45OV" at 16605,13155 h40 r270; SYMB_DIM "R603-35X45" at 16850,12760 h40 r270; SYMB_DIM "0" at 16520,12950 h40 r270; SYMB_DIM "0" at 16640,12825 h40 r270; ASSEMBLY_BOTTOM "220K 1%" at 16645,12945 h40 r270; ASSEMBLY_BOTTOM "X" at 16645,12975 h40 r270; ASSEMBLY_BOTTOM "X" at 16645,13010 h40 r270
R374: PIN_NUMBER "2" at 14892,12670 h20 r270; PIN_NUMBER "1" at 14892,12630 h20 r270; ASSEMBLY_BOTTOM "USERPART#" at 14750,12650 h25 r270; ASSEMBLY_BOTTOM "TOLERANCE" at 14800,12650 h25 r270; ASSEMBLY_BOTTOM "220" at 14900,12650 h25 r270; SYMBOL_PART_DIM "0" at 14887,12558 h25 r270; SYMBOL_PART_DIM "0" at 14816,12642 h25 r270; SYMBOL_PART_DIM "C402-35X32" at 14762,12527 h25 r270; SYMBOL_PART_DIM "PAD 35X32 OV" at 14712,12527 h25 r270
R375: PIN_NUMBER "1" at 11192,15055 h20 r90; PIN_NUMBER "2" at 11192,15095 h20 r90; ASSEMBLY_TOP "USERPART#" at 11350,15075 h25 r90; ASSEMBLY_TOP "TOLERANCE" at 11300,15075 h25 r90; ASSEMBLY_TOP "24.9 1%" at 11200,15075 h25 r90; SYMBOL_PART_DIM "0" at 11213,14983 h25 r90; SYMBOL_PART_DIM "0" at 11284,15067 h25 r90; SYMBOL_PART_DIM "C402-35X32" at 11338,14952 h25 r90; SYMBOL_PART_DIM "PAD 35X32 OV" at 11388,14952 h25 r90
R376: PIN_NUMBER "2" at 11017,11430 h20 r90; PIN_NUMBER "1" at 11017,11470 h20 r90; ASSEMBLY_BOTTOM "USERPART#" at 11175,11450 h25 r90; ASSEMBLY_BOTTOM "TOLERANCE" at 11125,11450 h25 r90; ASSEMBLY_BOTTOM "100" at 11025,11450 h25 r90; SYMBOL_PART_DIM "0" at 11038,11542 h25 r90; SYMBOL_PART_DIM "0" at 11109,11458 h25 r90; SYMBOL_PART_DIM "C402-35X32" at 11163,11573 h25 r90; SYMBOL_PART_DIM "PAD 35X32 OV" at 11213,11573 h25 r90
R377: PIN_NUMBER "2" at 11067,11430 h20 r90; PIN_NUMBER "1" at 11067,11470 h20 r90; ASSEMBLY_BOTTOM "USERPART#" at 11225,11450 h25 r90; ASSEMBLY_BOTTOM "TOLERANCE" at 11175,11450 h25 r90; ASSEMBLY_BOTTOM "100" at 11075,11450 h25 r90; SYMBOL_PART_DIM "0" at 11088,11542 h25 r90; SYMBOL_PART_DIM "0" at 11159,11458 h25 r90; SYMBOL_PART_DIM "C402-35X32" at 11213,11573 h25 r90; SYMBOL_PART_DIM "PAD 35X32 OV" at 11263,11573 h25 r90
R378: PIN_NUMBER "2" at 11117,11430 h20 r90; PIN_NUMBER "1" at 11117,11470 h20 r90; ASSEMBLY_BOTTOM "USERPART#" at 11275,11450 h25 r90; ASSEMBLY_BOTTOM "TOLERANCE" at 11225,11450 h25 r90; ASSEMBLY_BOTTOM "100" at 11125,11450 h25 r90; SYMBOL_PART_DIM "0" at 11138,11542 h25 r90; SYMBOL_PART_DIM "0" at 11209,11458 h25 r90; SYMBOL_PART_DIM "C402-35X32" at 11263,11573 h25 r90; SYMBOL_PART_DIM "PAD 35X32 OV" at 11313,11573 h25 r90
R379: PIN_NUMBER "2" at 11167,11430 h20 r90; PIN_NUMBER "1" at 11167,11470 h20 r90; ASSEMBLY_BOTTOM "USERPART#" at 11325,11450 h25 r90; ASSEMBLY_BOTTOM "TOLERANCE" at 11275,11450 h25 r90; ASSEMBLY_BOTTOM "100" at 11175,11450 h25 r90; SYMBOL_PART_DIM "0" at 11188,11542 h25 r90; SYMBOL_PART_DIM "0" at 11259,11458 h25 r90; SYMBOL_PART_DIM "C402-35X32" at 11313,11573 h25 r90; SYMBOL_PART_DIM "PAD 35X32 OV" at 11363,11573 h25 r90
R380: PIN_NUMBER "2" at 15992,12330 h20 r270; PIN_NUMBER "1" at 15992,12370 h20 r270; ASSEMBLY_TOP "USERPART#" at 15850,12350 h25 r270; ASSEMBLY_TOP "TOLERANCE" at 15900,12350 h25 r270; ASSEMBLY_TOP "0" at 16000,12350 h25 r270; SYMBOL_PART_DIM "0" at 15987,12442 h25 r270; SYMBOL_PART_DIM "0" at 15916,12358 h25 r270; SYMBOL_PART_DIM "C402-35X32" at 15862,12473 h25 r270; SYMBOL_PART_DIM "PAD 35X32 OV" at 15812,12473 h25 r270
R381: PIN_NUMBER "2" at 15737,12275 h20; PIN_NUMBER "1" at 15697,12275 h20; ASSEMBLY_TOP "USERPART#" at 15725,12125 h25; ASSEMBLY_TOP "TOLERANCE" at 15725,12175 h25; ASSEMBLY_TOP "0" at 15725,12275 h25; SYMBOL_PART_DIM "0" at 15633,12262 h25; SYMBOL_PART_DIM "0" at 15717,12191 h25; SYMBOL_PART_DIM "C402-35X32" at 15602,12137 h25; SYMBOL_PART_DIM "PAD 35X32 OV" at 15602,12087 h25
R382: PIN_NUMBER "2" at 15937,12275 h20; PIN_NUMBER "1" at 15897,12275 h20; ASSEMBLY_TOP "USERPART#" at 15925,12125 h25; ASSEMBLY_TOP "TOLERANCE" at 15925,12175 h25; ASSEMBLY_TOP "0" at 15925,12275 h25; SYMBOL_PART_DIM "0" at 15833,12262 h25; SYMBOL_PART_DIM "0" at 15917,12191 h25; SYMBOL_PART_DIM "C402-35X32" at 15802,12137 h25; SYMBOL_PART_DIM "PAD 35X32 OV" at 15802,12087 h25
R383: PIN_NUMBER "2" at 15792,12330 h20 r270; PIN_NUMBER "1" at 15792,12370 h20 r270; ASSEMBLY_TOP "USERPART#" at 15650,12350 h25 r270; ASSEMBLY_TOP "TOLERANCE" at 15700,12350 h25 r270; ASSEMBLY_TOP "0" at 15800,12350 h25 r270; SYMBOL_PART_DIM "0" at 15787,12442 h25 r270; SYMBOL_PART_DIM "0" at 15716,12358 h25 r270; SYMBOL_PART_DIM "C402-35X32" at 15662,12473 h25 r270; SYMBOL_PART_DIM "PAD 35X32 OV" at 15612,12473 h25 r270
R384: PIN_NUMBER "2" at 13557,11950 h20 r180; PIN_NUMBER "1" at 13517,11950 h20 r180; ASSEMBLY_BOTTOM "USERPART#" at 13545,12100 h25 r180; ASSEMBLY_BOTTOM "TOLERANCE" at 13545,12050 h25 r180; ASSEMBLY_BOTTOM "2K" at 13545,11950 h25 r180; SYMBOL_PART_DIM "0" at 13453,11963 h25 r180; SYMBOL_PART_DIM "0" at 13537,12034 h25 r180; SYMBOL_PART_DIM "C402-35X32" at 13422,12088 h25 r180; SYMBOL_PART_DIM "PAD 35X32 OV" at 13422,12138 h25 r180
R385: PIN_NUMBER "1" at 11217,11470 h20 r90; PIN_NUMBER "2" at 11217,11430 h20 r90; ASSEMBLY_BOTTOM "USERPART#" at 11375,11450 h25 r90; ASSEMBLY_BOTTOM "TOLERANCE" at 11325,11450 h25 r90; ASSEMBLY_BOTTOM "100" at 11225,11450 h25 r90; SYMBOL_PART_DIM "0" at 11238,11542 h25 r90; SYMBOL_PART_DIM "0" at 11309,11458 h25 r90; SYMBOL_PART_DIM "C402-35X32" at 11363,11573 h25 r90; SYMBOL_PART_DIM "PAD 35X32 OV" at 11413,11573 h25 r90
R386: PIN_NUMBER "1" at 11267,11470 h20 r90; PIN_NUMBER "2" at 11267,11430 h20 r90; ASSEMBLY_BOTTOM "USERPART#" at 11425,11450 h25 r90; ASSEMBLY_BOTTOM "TOLERANCE" at 11375,11450 h25 r90; ASSEMBLY_BOTTOM "100" at 11275,11450 h25 r90; SYMBOL_PART_DIM "0" at 11288,11542 h25 r90; SYMBOL_PART_DIM "0" at 11359,11458 h25 r90; SYMBOL_PART_DIM "C402-35X32" at 11413,11573 h25 r90; SYMBOL_PART_DIM "PAD 35X32 OV" at 11463,11573 h25 r90
R387: PIN_NUMBER "1" at 17907,13010 h20 r180; PIN_NUMBER "2" at 17867,13010 h20 r180; ASSEMBLY_TOP "USERPART#" at 17895,13160 h25 r180; ASSEMBLY_TOP "TOLERANCE" at 17895,13110 h25 r180; ASSEMBLY_TOP "10K" at 17895,13010 h25 r180; SYMBOL_PART_DIM "0" at 17987,13023 h25 r180; SYMBOL_PART_DIM "0" at 17903,13094 h25 r180; SYMBOL_PART_DIM "C402-35X32" at 18018,13148 h25 r180; SYMBOL_PART_DIM "PAD 35X32 OV" at 18018,13198 h25 r180
R388: PIN_NUMBER "1" at 15912,13000 h20 r180; PIN_NUMBER "2" at 15872,13000 h20 r180; ASSEMBLY_TOP "USERPART#" at 15900,13150 h25 r180; ASSEMBLY_TOP "TOLERANCE" at 15900,13100 h25 r180; ASSEMBLY_TOP "0" at 15900,13000 h25 r180; SYMBOL_PART_DIM "0" at 15992,13013 h25 r180; SYMBOL_PART_DIM "0" at 15908,13084 h25 r180; SYMBOL_PART_DIM "C402-35X32" at 16023,13138 h25 r180; SYMBOL_PART_DIM "PAD 35X32 OV" at 16023,13188 h25 r180
R389: PIN_NUMBER "1" at 15147,13500 h20; PIN_NUMBER "2" at 15187,13500 h20; ASSEMBLY_TOP "USERPART#" at 15175,13350 h25; ASSEMBLY_TOP "TOLERANCE" at 15175,13400 h25; ASSEMBLY_TOP "0" at 15175,13500 h25; SYMBOL_PART_DIM "0" at 15083,13487 h25; SYMBOL_PART_DIM "0" at 15167,13416 h25; SYMBOL_PART_DIM "C402-35X32" at 15052,13362 h25; SYMBOL_PART_DIM "PAD 35X32 OV" at 15052,13312 h25
R390: PIN_NUMBER "2" at 14422,15235 h20 r270; PIN_NUMBER "1" at 14422,15195 h20 r270; ASSEMBLY_BOTTOM "USERPART#" at 14280,15215 h25 r270; ASSEMBLY_BOTTOM "TOLERANCE" at 14330,15215 h25 r270; ASSEMBLY_BOTTOM "0" at 14430,15215 h25 r270; SYMBOL_PART_DIM "0" at 14417,15123 h25 r270; SYMBOL_PART_DIM "0" at 14346,15207 h25 r270; SYMBOL_PART_DIM "C402-35X32" at 14292,15092 h25 r270; SYMBOL_PART_DIM "PAD 35X32 OV" at 14242,15092 h25 r270
R391: PIN_NUMBER "1" at 10479,15300 h40 r180; PIN_NUMBER "2" at 10539,15300 h40 r180; SYMB_DIM "PAD 35X45OV" at 10710,15225 h40 r180; SYMB_DIM "SM  43X53OV" at 10710,15285 h40 r180; SYMB_DIM "SP  35X45OV" at 10710,15355 h40 r180; SYMB_DIM "R603-35X45" at 10315,15110 h40 r180; SYMB_DIM "0" at 10505,15440 h40 r180; SYMB_DIM "0" at 10380,15320 h40 r180; ASSEMBLY_BOTTOM "1M" at 10500,15315 h40 r180; ASSEMBLY_BOTTOM "X" at 10530,15315 h40 r180; ASSEMBLY_BOTTOM "X" at 10565,15315 h40 r180
R392: PIN_NUMBER "1" at 11184,15270 h40 r270; PIN_NUMBER "2" at 11184,15330 h40 r270; SYMB_DIM "PAD 35X45OV" at 11275,15485 h40 r270; SYMB_DIM "SM  43X53OV" at 11215,15485 h40 r270; SYMB_DIM "SP  35X45OV" at 11145,15485 h40 r270; SYMB_DIM "R603-35X45" at 11390,15090 h40 r270; SYMB_DIM "0" at 11060,15280 h40 r270; SYMB_DIM "0" at 11180,15155 h40 r270; ASSEMBLY_BOTTOM "1M" at 11185,15275 h40 r270; ASSEMBLY_BOTTOM "X" at 11185,15305 h40 r270; ASSEMBLY_BOTTOM "X" at 11185,15340 h40 r270
R393: PIN_NUMBER "2" at 11192,15095 h20 r270; PIN_NUMBER "1" at 11192,15055 h20 r270; ASSEMBLY_BOTTOM "USERPART#" at 11050,15075 h25 r270; ASSEMBLY_BOTTOM "TOLERANCE" at 11100,15075 h25 r270; ASSEMBLY_BOTTOM "15K" at 11200,15075 h25 r270; SYMBOL_PART_DIM "0" at 11187,14983 h25 r270; SYMBOL_PART_DIM "0" at 11116,15067 h25 r270; SYMBOL_PART_DIM "C402-35X32" at 11062,14952 h25 r270; SYMBOL_PART_DIM "PAD 35X32 OV" at 11012,14952 h25 r270
R394: PIN_NUMBER "1" at 12437,13570 h20 r90; PIN_NUMBER "2" at 12437,13530 h20 r90; ASSEMBLY_BOTTOM "USERPART#" at 12595,13550 h25 r90; ASSEMBLY_BOTTOM "TOLERANCE" at 12545,13550 h25 r90; ASSEMBLY_BOTTOM "NO-POP" at 12445,13550 h25 r90; SYMBOL_PART_DIM "0" at 12458,13642 h25 r90; SYMBOL_PART_DIM "0" at 12529,13558 h25 r90; SYMBOL_PART_DIM "C402-35X32" at 12583,13673 h25 r90; SYMBOL_PART_DIM "PAD 35X32 OV" at 12633,13673 h25 r90
R395: PIN_NUMBER "1" at 12392,13570 h20 r90; PIN_NUMBER "2" at 12392,13530 h20 r90; ASSEMBLY_BOTTOM "USERPART#" at 12550,13550 h25 r90; ASSEMBLY_BOTTOM "TOLERANCE" at 12500,13550 h25 r90; ASSEMBLY_BOTTOM "NO-POP" at 12400,13550 h25 r90; SYMBOL_PART_DIM "0" at 12413,13642 h25 r90; SYMBOL_PART_DIM "0" at 12484,13558 h25 r90; SYMBOL_PART_DIM "C402-35X32" at 12538,13673 h25 r90; SYMBOL_PART_DIM "PAD 35X32 OV" at 12588,13673 h25 r90
R396: PIN_NUMBER "1" at 11942,12800 h20 r270; PIN_NUMBER "2" at 11942,12840 h20 r270; ASSEMBLY_BOTTOM "USERPART#" at 11800,12820 h25 r270; ASSEMBLY_BOTTOM "TOLERANCE" at 11850,12820 h25 r270; ASSEMBLY_BOTTOM "NO-POP" at 11950,12820 h25 r270; SYMBOL_PART_DIM "0" at 11937,12728 h25 r270; SYMBOL_PART_DIM "0" at 11866,12812 h25 r270; SYMBOL_PART_DIM "C402-35X32" at 11812,12697 h25 r270; SYMBOL_PART_DIM "PAD 35X32 OV" at 11762,12697 h25 r270
R504: PIN_NUMBER "2" at 17544,11340 h40 r270; PIN_NUMBER "1" at 17544,11400 h40 r270; ASSEMBLY_TOP "24 1%" at 17545,11395 h40 r270; ASSEMBLY_TOP "X" at 17545,11365 h40 r270; ASSEMBLY_TOP "X" at 17545,11330 h40 r270; SYMB_DIM "PAD 35X45OV" at 17635,11185 h40 r270; SYMB_DIM "SM  43X53OV" at 17575,11185 h40 r270; SYMB_DIM "SP  35X45OV" at 17505,11185 h40 r270; SYMB_DIM "R603-35X45" at 17750,11580 h40 r270; SYMB_DIM "0" at 17420,11390 h40 r270; SYMB_DIM "0" at 17540,11515 h40 r270
R508: PIN_NUMBER "2" at 17474,11245 h40; PIN_NUMBER "1" at 17414,11245 h40; ASSEMBLY_TOP "24 1%" at 17435,11230 h40; ASSEMBLY_TOP "X" at 17465,11230 h40; ASSEMBLY_TOP "X" at 17500,11230 h40; SYMB_DIM "PAD 35X45OV" at 17645,11320 h40; SYMB_DIM "SM  43X53OV" at 17645,11260 h40; SYMB_DIM "SP  35X45OV" at 17645,11190 h40; SYMB_DIM "R603-35X45" at 17250,11435 h40; SYMB_DIM "0" at 17440,11105 h40; SYMB_DIM "0" at 17315,11225 h40
R511: PIN_NUMBER "1" at 16512,11560 h20; PIN_NUMBER "2" at 16472,11560 h20; ASSEMBLY_BOTTOM "USERPART#" at 16500,11410 h25; ASSEMBLY_BOTTOM "TOLERANCE" at 16500,11460 h25; ASSEMBLY_BOTTOM "220" at 16500,11560 h25; SYMBOL_PART_DIM "0" at 16592,11547 h25; SYMBOL_PART_DIM "0" at 16508,11476 h25; SYMBOL_PART_DIM "C402-35X32" at 16623,11422 h25; SYMBOL_PART_DIM "PAD 35X32 OV" at 16623,11372 h25
R514: PIN_NUMBER "2" at 16117,12115 h20 r90; PIN_NUMBER "1" at 16117,12155 h20 r90; ASSEMBLY_BOTTOM "USERPART#" at 16275,12135 h25 r90; ASSEMBLY_BOTTOM "TOLERANCE" at 16225,12135 h25 r90; ASSEMBLY_BOTTOM "10K" at 16125,12135 h25 r90; SYMBOL_PART_DIM "0" at 16138,12227 h25 r90; SYMBOL_PART_DIM "0" at 16209,12143 h25 r90; SYMBOL_PART_DIM "C402-35X32" at 16263,12258 h25 r90; SYMBOL_PART_DIM "PAD 35X32 OV" at 16313,12258 h25 r90
R525: PIN_NUMBER "2" at 16454,11685 h40; PIN_NUMBER "1" at 16514,11685 h40; SYMB_DIM "PAD 35X45OV" at 16315,11760 h40; SYMB_DIM "SM  43X53OV" at 16315,11700 h40; SYMB_DIM "SP  35X45OV" at 16315,11630 h40; SYMB_DIM "R603-35X45" at 16710,11875 h40; SYMB_DIM "0" at 16520,11545 h40; SYMB_DIM "0" at 16645,11665 h40; ASSEMBLY_BOTTOM "NO-POP" at 16525,11670 h40; ASSEMBLY_BOTTOM "X" at 16495,11670 h40; ASSEMBLY_BOTTOM "X" at 16460,11670 h40
R527: PIN_NUMBER "2" at 17269,12405 h40 r270; PIN_NUMBER "1" at 17269,12465 h40 r270; ASSEMBLY_TOP "33.2K 1%" at 17270,12460 h40 r270; ASSEMBLY_TOP "X" at 17270,12430 h40 r270; ASSEMBLY_TOP "X" at 17270,12395 h40 r270; SYMB_DIM "PAD 35X45OV" at 17360,12250 h40 r270; SYMB_DIM "SM  43X53OV" at 17300,12250 h40 r270; SYMB_DIM "SP  35X45OV" at 17230,12250 h40 r270; SYMB_DIM "R603-35X45" at 17475,12645 h40 r270; SYMB_DIM "0" at 17145,12455 h40 r270; SYMB_DIM "0" at 17265,12580 h40 r270
R528: PIN_NUMBER "2" at 17269,12465 h40 r270; PIN_NUMBER "1" at 17269,12405 h40 r270; SYMB_DIM "PAD 35X45OV" at 17360,12620 h40 r270; SYMB_DIM "SM  43X53OV" at 17300,12620 h40 r270; SYMB_DIM "SP  35X45OV" at 17230,12620 h40 r270; SYMB_DIM "R603-35X45" at 17475,12225 h40 r270; SYMB_DIM "0" at 17145,12415 h40 r270; SYMB_DIM "0" at 17265,12290 h40 r270; ASSEMBLY_BOTTOM "30.1K 1%" at 17270,12410 h40 r270; ASSEMBLY_BOTTOM "X" at 17270,12440 h40 r270; ASSEMBLY_BOTTOM "X" at 17270,12475 h40 r270
R534: PIN_NUMBER "1" at 17669,11085 h40 r180; PIN_NUMBER "2" at 17729,11085 h40 r180; SYMB_DIM "PAD 35X45OV" at 17900,11010 h40 r180; SYMB_DIM "SM  43X53OV" at 17900,11070 h40 r180; SYMB_DIM "SP  35X45OV" at 17900,11140 h40 r180; SYMB_DIM "R603-35X45" at 17505,10895 h40 r180; SYMB_DIM "0" at 17695,11225 h40 r180; SYMB_DIM "0" at 17570,11105 h40 r180; ASSEMBLY_BOTTOM "300K" at 17690,11100 h40 r180; ASSEMBLY_BOTTOM "X" at 17720,11100 h40 r180; ASSEMBLY_BOTTOM "X" at 17755,11100 h40 r180